# KiCad board V1.1_XT30_version.kicad_pcb (continued)
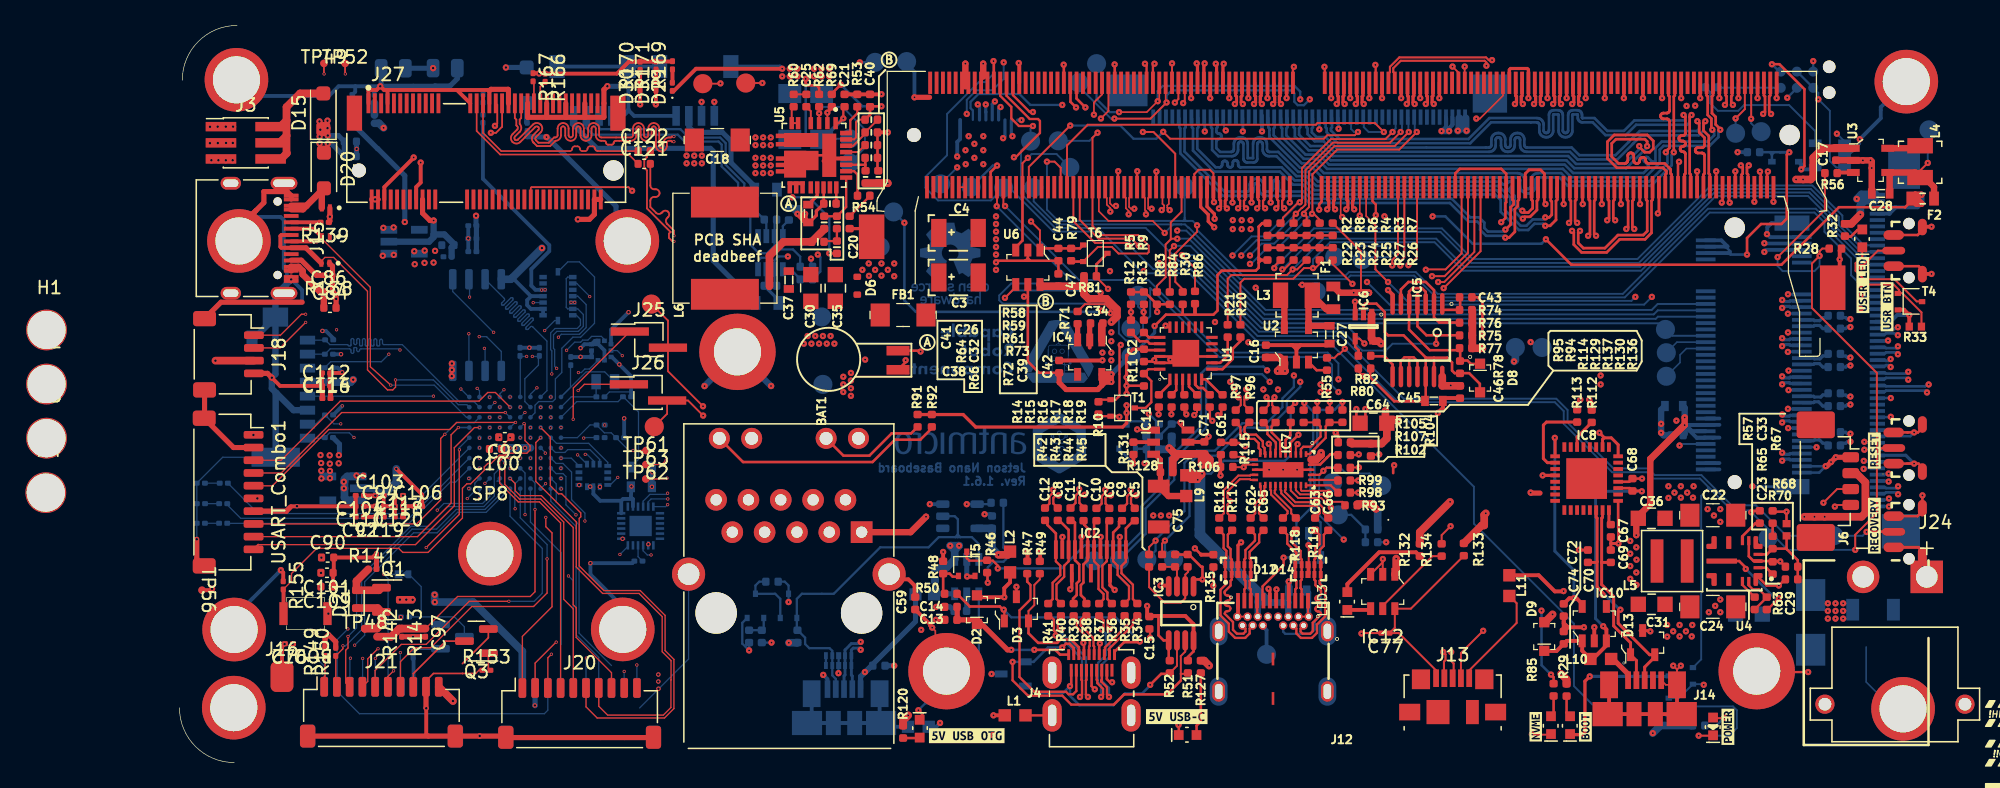
[diagram p0: board, top side]
## Routing (per net, layer and track width the routed paths; a pad name or vN(x,y) marks a point on that pad's centre or on a via; arc(x,y) is an arc through that point) (continued)
PCIE0_RX0_N: length 66
  Top w0.25: M1.131 92.98,52.39 92.91,52.33 92.91,51.87 v1(93.04,51.74)
  In5_3V3_SYS_SIGNAL.Cu w0.195: v1(125.91,32.72) 126.06,32.87 127.35,32.87 127.78,33.3 127.78,34.19 127.3,34.66 125.32,34.66 125.1,34.88 125.1,35.52 120.52,40.1 120.52,43.82 117.08,47.26 110.98,47.26 109.19,49.05 109.05,49.05 109.05,49.06 108.77,49.06 107.67,49.06 107.57,49.04 107.46,49.01 107.37,48.95 107.29,48.87 107.24,48.78 107.2,48.68 107.19,48.57 107.19,48.14 107.18,48.1 107.17,48.05 107.14,48.02 107.11,47.99 107.08,47.96 107.04,47.95 106.99,47.94 106.95,47.95 106.91,47.96 106.87,47.99 106.84,48.02 106.82,48.05 106.8,48.1 106.8,48.14 106.8,49.83 106.78,49.94 106.75,50.04 106.69,50.13 106.61,50.21 106.52,50.27 106.42,50.3 106.31,50.32 106.25,50.32 106.14,50.3 106.04,50.27 105.95,50.21 105.87,50.13 105.81,50.04 105.77,49.94 105.76,49.83 105.76,48.14 105.76,48.1 105.74,48.05 105.72,48.02 105.69,47.99 105.65,47.96 105.61,47.95 105.57,47.94 105.52,47.95 105.48,47.96 105.45,47.99 105.41,48.02 105.39,48.05 105.38,48.1 105.37,48.14 105.37,49.83 105.36,49.94 105.32,50.04 105.27,50.13 105.19,50.21 105.1,50.27 104.99,50.3 104.88,50.32 104.82,50.32 104.72,50.3 104.61,50.27 104.52,50.21 104.44,50.13 104.39,50.04 104.35,49.94 104.34,49.83 104.34,48.14 104.33,48.1 104.32,48.05 104.29,48.02 104.26,47.99 104.23,47.96 104.19,47.95 104.14,47.94 104.1,47.95 104.06,47.96 104.02,47.99 103.99,48.02 103.97,48.05 103.95,48.1 103.95,48.14 103.95,49.83 103.94,49.94 103.9,50.04 103.84,50.13 103.76,50.21 103.67,50.27 103.57,50.3 103.46,50.32 103.4,50.32 103.29,50.3 103.19,50.27 103.1,50.21 103.02,50.13 102.96,50.04 102.92,49.94 102.91,49.83 102.91,48.14 102.91,48.1 102.89,48.05 102.87,48.02 102.84,47.99 102.8,47.96 102.76,47.95 102.72,47.94 102.67,47.95 102.63,47.96 102.6,47.99 102.56,48.02 102.54,48.05 102.53,48.1 102.52,48.14 102.52,48.57 102.51,48.68 102.47,48.78 102.42,48.87 102.34,48.95 102.25,49.01 102.14,49.04 102.03,49.06 94.27,49.06 92.89,50.44 92.89,51.59 v1(93.04,51.74)
  Bottom w0.25: v1(125.91,32.72) 126.03,32.84 126.48,32.84 126.54,32.78 J7.41
PCIE0_RX0_P: length 66
  Top w0.25: v1(92.41,51.74) 92.54,51.87 92.54,52.33 92.48,52.39 M1.133
  In5_3V3_SYS_SIGNAL.Cu w0.195: v1(125.91,33.34) 126.06,33.19 127.21,33.19 127.46,33.43 127.46,34.06 127.17,34.34 125.18,34.34 124.78,34.75 124.78,35.39 123.8,36.37 123.77,36.4 123.73,36.42 123.68,36.43 123.64,36.43 123.6,36.42 123.56,36.4 123.52,36.37 123.49,36.34 123.46,36.31 123.42,36.29 123.38,36.28 123.33,36.28 123.29,36.29 123.25,36.31 123.22,36.34 123.19,36.37 123.17,36.41 123.16,36.46 123.16,36.5 123.17,36.54 123.19,36.58 123.22,36.62 123.25,36.65 123.28,36.68 123.3,36.72 123.31,36.76 123.31,36.81 123.3,36.85 123.28,36.89 123.25,36.92 120.2,39.97 120.2,43.69 116.95,46.94 110.84,46.94 109.05,48.73 107.7,48.73 107.66,48.73 107.62,48.71 107.58,48.69 107.55,48.66 107.53,48.62 107.51,48.58 107.51,48.54 107.51,48.11 107.5,48 107.46,47.9 107.4,47.81 107.33,47.73 107.23,47.67 107.13,47.63 107.02,47.62 106.96,47.62 106.85,47.63 106.75,47.67 106.66,47.73 106.58,47.81 106.52,47.9 106.49,48 106.47,48.11 106.47,49.8 106.47,49.84 106.46,49.88 106.43,49.92 106.4,49.95 106.36,49.97 106.32,49.99 106.28,49.99 106.24,49.99 106.19,49.97 106.16,49.95 106.13,49.92 106.1,49.88 106.09,49.84 106.08,49.8 106.08,48.11 106.07,48 106.04,47.9 105.98,47.81 105.9,47.73 105.81,47.67 105.71,47.63 105.6,47.62 105.54,47.62 105.43,47.63 105.33,47.67 105.23,47.73 105.16,47.81 105.1,47.9 105.06,48 105.05,48.11 105.05,49.8 105.04,49.84 105.03,49.88 105.01,49.92 104.98,49.95 104.94,49.97 104.9,49.99 104.85,49.99 104.81,49.99 104.77,49.97 104.73,49.95 104.7,49.92 104.68,49.88 104.66,49.84 104.66,49.8 104.66,48.11 104.65,48 104.61,47.9 104.55,47.81 104.48,47.73 104.38,47.67 104.28,47.63 104.17,47.62 104.11,47.62 104,47.63 103.9,47.67 103.81,47.73 103.73,47.81 103.67,47.9 103.64,48 103.62,48.11 103.62,49.8 103.62,49.84 103.61,49.88 103.58,49.92 103.55,49.95 103.51,49.97 103.47,49.99 103.43,49.99 103.39,49.99 103.35,49.97 103.31,49.95 103.28,49.92 103.25,49.88 103.24,49.84 103.23,49.8 103.23,48.11 103.22,48 103.19,47.9 103.13,47.81 103.05,47.73 102.96,47.67 102.86,47.63 102.75,47.62 102.69,47.62 102.58,47.63 102.48,47.67 102.38,47.73 102.31,47.81 102.25,47.9 102.21,48 102.2,48.11 102.2,48.54 102.2,48.58 102.18,48.62 102.16,48.66 102.13,48.69 102.09,48.71 102.05,48.73 102.01,48.73 94.14,48.73 92.57,50.31 92.57,51.59 v1(92.41,51.74)
  Bottom w0.25: v1(125.91,33.34) 126.03,33.22 126.48,33.22 126.54,33.28 J7.43
PCIE0_RX1_N: length 66
  Top w0.25: M1.137 91.48,52.39 91.41,52.33 91.41,51.87 v1(91.54,51.74)
  In5_3V3_SYS_SIGNAL.Cu w0.195: v1(91.54,51.74) 91.39,51.59 91.39,50.92 92.04,50.26 92.04,48.89 93.64,47.29 94.36,47.29 94.47,47.28 94.57,47.24 94.66,47.18 94.74,47.11 94.8,47.02 94.83,46.91 94.85,46.8 94.85,46.61 94.85,46.57 94.87,46.53 94.89,46.49 94.92,46.46 94.96,46.44 95,46.42 95.04,46.42 95.08,46.42 95.13,46.44 95.16,46.46 95.19,46.49 95.22,46.53 95.23,46.57 95.24,46.61 95.24,47.13 95.24,47.83 95.25,47.94 95.28,48.04 95.34,48.13 95.42,48.21 95.51,48.27 95.62,48.3 95.72,48.31 95.78,48.31 95.89,48.3 96,48.27 96.09,48.21 96.16,48.13 96.22,48.04 96.26,47.94 96.27,47.83 96.27,46.61 96.28,46.57 96.29,46.53 96.31,46.49 96.34,46.46 96.38,46.44 96.42,46.42 96.47,46.42 96.51,46.42 96.55,46.44 96.59,46.46 96.62,46.49 96.64,46.53 96.66,46.57 96.66,46.61 96.66,47.83 96.67,47.94 96.71,48.04 96.77,48.13 96.84,48.21 96.94,48.27 97.04,48.3 97.15,48.31 97.21,48.31 97.32,48.3 97.42,48.27 97.51,48.21 97.59,48.13 97.65,48.04 97.68,47.94 97.7,47.83 97.7,46.61 97.7,46.57 97.72,46.53 97.74,46.49 97.77,46.46 97.81,46.44 97.85,46.42 97.89,46.42 97.93,46.42 97.98,46.44 98.01,46.46 98.04,46.49 98.07,46.53 98.08,46.57 98.09,46.61 98.09,47.83 98.1,47.94 98.13,48.04 98.19,48.13 98.27,48.21 98.36,48.27 98.46,48.3 98.57,48.31 98.63,48.31 98.74,48.3 98.84,48.27 98.94,48.21 99.01,48.13 99.07,48.04 99.11,47.94 99.12,47.83 99.12,47.49 99.13,47.44 99.14,47.4 99.16,47.36 99.19,47.33 99.23,47.31 99.27,47.3 99.32,47.29 108.77,47.29 109.54,46.52 116.58,46.52 119.45,43.64 119.45,39.54 123.67,35.32 123.67,32.2 124.25,31.62 127.21,31.62 127.72,31.11 127.72,30.3 127.28,29.87 126.06,29.87 v1(125.91,29.72)
  Bottom w0.25: v1(125.91,29.72) 126.03,29.84 126.48,29.84 126.54,29.78 J7.29
PCIE0_RX1_P: length 66
  Top w0.25: v1(90.91,51.74) 91.04,51.87 91.04,52.33 90.98,52.39 90.98,53.4
  In5_3V3_SYS_SIGNAL.Cu w0.195: v1(90.91,51.74) 91.07,51.59 91.07,50.78 91.72,50.12 91.72,48.76 93.51,46.97 94.33,46.97 94.37,46.96 94.41,46.95 94.45,46.93 94.48,46.9 94.5,46.86 94.52,46.82 94.52,46.77 94.52,46.58 94.54,46.47 94.57,46.37 94.63,46.28 94.71,46.2 94.8,46.14 94.9,46.11 95.01,46.1 95.07,46.1 95.18,46.11 95.28,46.14 95.37,46.2 95.45,46.28 95.51,46.37 95.55,46.47 95.56,46.58 95.56,47.13 95.56,47.8 95.56,47.84 95.58,47.88 95.6,47.92 95.63,47.95 95.67,47.97 95.71,47.99 95.75,47.99 95.8,47.99 95.84,47.97 95.88,47.95 95.91,47.92 95.93,47.88 95.94,47.84 95.95,47.8 95.95,46.58 95.96,46.47 96,46.37 96.05,46.28 96.13,46.2 96.22,46.14 96.33,46.11 96.44,46.1 96.5,46.1 96.6,46.11 96.71,46.14 96.8,46.2 96.88,46.28 96.94,46.37 96.97,46.47 96.98,46.58 96.98,47.8 96.99,47.84 97,47.88 97.03,47.92 97.06,47.95 97.09,47.97 97.14,47.99 97.18,47.99 97.22,47.99 97.26,47.97 97.3,47.95 97.33,47.92 97.35,47.88 97.37,47.84 97.37,47.8 97.37,46.58 97.39,46.47 97.42,46.37 97.48,46.28 97.56,46.2 97.65,46.14 97.75,46.11 97.86,46.1 97.92,46.1 98.03,46.11 98.13,46.14 98.22,46.2 98.3,46.28 98.36,46.37 98.4,46.47 98.41,46.58 98.41,47.8 98.41,47.84 98.43,47.88 98.45,47.92 98.48,47.95 98.52,47.97 98.56,47.99 98.6,47.99 98.65,47.99 98.69,47.97 98.72,47.95 98.76,47.92 98.78,47.88 98.79,47.84 98.8,47.8 98.8,47.46 98.81,47.35 98.85,47.24 98.9,47.15 98.98,47.08 99.07,47.02 99.18,46.98 99.29,46.97 108.64,46.97 109.41,46.2 116.45,46.2 119.13,43.51 119.13,39.41 123.35,35.19 123.35,32.06 124.11,31.3 124.7,31.3 124.75,31.3 124.8,31.28 124.84,31.25 124.88,31.22 124.9,31.17 124.92,31.13 124.93,31.08 124.93,31.06 124.93,31.01 124.95,30.96 124.98,30.92 125.01,30.88 125.05,30.85 125.1,30.84 125.15,30.83 125.2,30.84 125.25,30.85 125.29,30.88 125.33,30.92 125.35,30.96 125.37,31.01 125.38,31.06 125.38,31.08 125.38,31.13 125.4,31.17 125.43,31.22 125.46,31.25 125.5,31.28 125.55,31.3 125.6,31.3 127.08,31.3 127.4,30.98 127.4,30.47 127.11,30.19 126.06,30.19 v1(125.91,30.34)
  Bottom w0.25: v1(125.91,30.34) 126.03,30.22 126.48,30.22 126.54,30.28 J7.31
PCIE0_RX2_N: length 66
  Top w0.25: M1.149 86.48,52.39 86.41,52.33 86.41,51.87 v1(86.54,51.74)
  In5_3V3_SYS_SIGNAL.Cu w0.185: 122.25,31.31 124.88,28.68 ; 92.08,45.67 99.61,45.67 99.65,45.68 99.69,45.69 99.73,45.71 99.76,45.74 99.78,45.78 99.79,45.82 99.8,45.86 99.8,46.07 99.81,46.18 99.85,46.28 99.9,46.37 99.98,46.45 100.07,46.51 100.17,46.54 100.28,46.55 100.34,46.55 100.45,46.54 100.55,46.51 100.64,46.45 100.71,46.37 100.77,46.28 100.81,46.18 100.82,46.07 100.82,45.86 100.82,45.82 100.84,45.78 100.86,45.74 100.89,45.71 100.93,45.69 100.97,45.68 101.01,45.67 101.05,45.68 101.09,45.69 101.13,45.71 101.16,45.74 101.18,45.78 101.19,45.82 101.2,45.86 101.2,46.07 101.21,46.18 101.25,46.28 101.3,46.37 101.38,46.45 101.47,46.51 101.57,46.54 101.68,46.55 101.74,46.55 101.85,46.54 101.95,46.51 102.04,46.45 102.11,46.37 102.17,46.28 102.21,46.18 102.22,46.07 102.22,45.86 102.22,45.82 102.24,45.78 102.26,45.74 102.29,45.71 102.33,45.69 102.37,45.68 102.41,45.67 102.45,45.68 102.49,45.69 102.53,45.71 102.56,45.74 102.58,45.78 102.59,45.82 102.6,45.86 102.6,46.07 102.61,46.18 102.65,46.28 102.7,46.37 102.78,46.45 102.87,46.51 102.97,46.54 103.08,46.55 103.14,46.55 103.25,46.54 103.35,46.51 103.44,46.45 103.51,46.37 103.57,46.28 103.61,46.18 103.62,46.07 103.62,45.86 103.62,45.82 103.64,45.78 103.66,45.74 103.69,45.71 103.73,45.69 103.77,45.68 103.81,45.67 116.21,45.67
  In5_3V3_SYS_SIGNAL.Cu w0.195: v1(125.91,26.72) 126.06,26.87 127.24,26.87 127.6,27.23 127.6,28.35 127.27,28.68 124.88,28.68 ; 92.08,45.67 86.39,51.36 86.39,51.59 v1(86.54,51.74) ; 116.21,45.67 118.35,43.52 118.35,39.16 122.25,35.27 122.25,31.31
  Bottom w0.25: v1(125.91,26.72) 126.03,26.84 126.48,26.84 126.54,26.78 J7.17
PCIE0_RX2_P: length 66
  Top w0.25: v1(85.91,51.74) 86.04,51.87 86.04,52.33 85.98,52.39 M1.151
  In5_3V3_SYS_SIGNAL.Cu w0.185: 121.93,31.18 122.86,30.25 122.88,30.22 122.9,30.18 122.91,30.14 122.91,30.1 122.9,30.06 122.88,30.02 122.86,29.99 122.82,29.94 122.79,29.91 122.77,29.87 122.76,29.83 122.76,29.79 122.77,29.75 122.79,29.71 122.82,29.68 122.85,29.66 122.88,29.64 122.93,29.63 122.97,29.63 123.01,29.64 123.04,29.66 123.08,29.68 123.12,29.73 123.15,29.75 123.19,29.77 123.23,29.78 123.27,29.78 123.31,29.77 123.35,29.75 123.38,29.73 124.75,28.36 ; 116.07,45.35 103.78,45.35 103.67,45.36 103.57,45.4 103.48,45.46 103.4,45.53 103.35,45.62 103.31,45.72 103.3,45.83 103.3,46.04 103.29,46.09 103.28,46.13 103.26,46.16 103.23,46.19 103.19,46.21 103.15,46.23 103.11,46.23 103.07,46.23 103.03,46.21 102.99,46.19 102.96,46.16 102.94,46.13 102.92,46.09 102.92,46.04 102.92,45.83 102.91,45.72 102.87,45.62 102.81,45.53 102.74,45.46 102.65,45.4 102.55,45.36 102.44,45.35 102.38,45.35 102.27,45.36 102.17,45.4 102.08,45.46 102,45.53 101.95,45.62 101.91,45.72 101.9,45.83 101.9,46.04 101.89,46.09 101.88,46.13 101.86,46.16 101.83,46.19 101.79,46.21 101.75,46.23 101.71,46.23 101.67,46.23 101.63,46.21 101.59,46.19 101.56,46.16 101.54,46.13 101.52,46.09 101.52,46.04 101.52,45.83 101.51,45.72 101.47,45.62 101.41,45.53 101.34,45.46 101.25,45.4 101.15,45.36 101.04,45.35 100.98,45.35 100.87,45.36 100.77,45.4 100.68,45.46 100.6,45.53 100.55,45.62 100.51,45.72 100.5,45.83 100.5,46.04 100.49,46.09 100.48,46.13 100.46,46.16 100.43,46.19 100.39,46.21 100.35,46.23 100.31,46.23 100.27,46.23 100.23,46.21 100.19,46.19 100.16,46.16 100.14,46.13 100.12,46.09 100.12,46.04 100.12,45.83 100.11,45.72 100.07,45.62 100.01,45.53 99.94,45.46 99.85,45.4 99.75,45.36 99.64,45.35 91.95,45.35
  In5_3V3_SYS_SIGNAL.Cu w0.195: 116.07,45.35 118.03,43.39 118.03,39.03 121.93,35.13 121.93,31.18 ; 124.75,28.36 127.12,28.36 127.28,28.2 127.28,27.36 127.11,27.19 126.06,27.19 v1(125.91,27.34) ; 91.95,45.35 86.07,51.23 86.07,51.59 v1(85.91,51.74)
  Bottom w0.25: v1(125.91,27.34) 126.03,27.22 126.48,27.22 126.54,27.28 J7.19
PCIE0_RX3_N: length 66.1
  Top w0.25: M1.155 84.98,52.39 84.91,52.33 84.91,51.87 v1(85.04,51.74)
  In5_3V3_SYS_SIGNAL.Cu w0.195: v1(125.91,23.72) 126.06,23.87 126.61,23.87 127.07,24.33 127.07,25.09 126.69,25.47 125.27,25.47 120.76,29.98 120.76,35.09 117,38.85 117,43.73 116.04,44.69 115.04,44.69 95.78,44.69 95.68,44.68 95.59,44.65 95.5,44.59 95.43,44.52 95.37,44.44 95.34,44.34 95.33,44.24 95.33,44.05 95.33,44.01 95.31,43.98 95.29,43.95 95.27,43.92 95.24,43.9 95.2,43.89 95.17,43.89 95.1,43.89 95.07,43.89 95.03,43.9 95,43.92 94.97,43.95 94.96,43.98 94.94,44.01 94.94,44.05 94.94,44.24 94.93,44.34 94.89,44.44 94.84,44.52 94.77,44.59 94.68,44.65 94.59,44.68 94.48,44.69 91.44,44.69 84.89,51.25 84.89,51.59 v1(85.04,51.74)
  Bottom w0.25: v1(125.91,23.72) 126.03,23.84 126.48,23.84 126.54,23.78 J7.5
PCIE0_RX3_P: length 66.1
  Top w0.25: v1(84.41,51.74) 84.54,51.87 84.54,52.33 84.48,52.39 M1.157
  In5_3V3_SYS_SIGNAL.Cu w0.195: v1(84.41,51.74) 84.57,51.59 84.57,51.12 91.31,44.37 94.46,44.37 94.49,44.37 94.53,44.36 94.56,44.34 94.58,44.31 94.6,44.28 94.62,44.25 94.62,44.21 94.62,44.02 94.63,43.92 94.66,43.83 94.72,43.74 94.79,43.67 94.88,43.61 94.97,43.58 95.07,43.57 95.19,43.57 95.3,43.58 95.39,43.61 95.48,43.67 95.55,43.74 95.6,43.83 95.64,43.92 95.65,44.02 95.65,44.21 95.65,44.25 95.67,44.28 95.68,44.31 95.71,44.34 95.74,44.36 95.78,44.37 95.81,44.37 115.91,44.37 116.68,43.6 116.68,38.71 120.44,34.95 120.44,29.85 122.65,27.64 122.68,27.61 122.7,27.57 122.71,27.53 122.71,27.48 122.7,27.44 122.68,27.4 122.65,27.37 122.62,27.34 122.59,27.3 122.57,27.26 122.57,27.22 122.57,27.18 122.57,27.13 122.59,27.09 122.62,27.06 122.66,27.03 122.69,27.01 122.74,27 122.78,27 122.82,27.01 122.86,27.03 122.9,27.06 122.93,27.09 122.96,27.12 123,27.14 123.04,27.15 123.09,27.15 123.13,27.14 123.17,27.12 123.2,27.09 125.14,25.15 126.56,25.15 126.75,24.96 126.75,24.46 126.48,24.19 126.06,24.19 v1(125.91,24.34)
  Bottom w0.25: v1(125.91,24.34) 126.03,24.22 126.48,24.22 126.54,24.28 J7.7
PCIE0_TX0_N: length 65.6
  Top w0.25: M1.134 92.23,44.19 92.16,44.12 92.16,43.59 v1(92.29,43.46)
  In3_SIGNAL.Cu w0.185: v1(131.27,34.21) 131.31,34.21 131.74,34.65 131.74,35.05 130.96,35.83 127.98,35.83 126.92,34.77 123.06,34.77 119.72,38.1 118.36,38.1 118.33,38.11 118.31,38.11 118.28,38.13 118.27,38.15 118.25,38.17 118.24,38.2 118.24,38.22 118.24,38.4 118.23,38.49 118.2,38.58 118.15,38.66 118.09,38.72 118.01,38.77 117.92,38.8 117.83,38.81 117.65,38.81 117.56,38.8 117.48,38.77 117.4,38.72 117.34,38.66 117.29,38.58 117.26,38.49 117.25,38.4 117.25,37.52 117.25,37.49 117.24,37.47 117.22,37.44 117.2,37.42 117.18,37.41 117.16,37.4 117.13,37.4 117,37.4 116.97,37.4 116.95,37.41 116.92,37.42 116.91,37.44 116.89,37.47 116.88,37.49 116.88,37.52 116.88,38.4 116.87,38.49 116.84,38.58 116.79,38.66 116.73,38.72 116.65,38.77 116.56,38.8 116.47,38.81 116.29,38.81 116.2,38.8 116.12,38.77 116.04,38.72 115.98,38.66 115.93,38.58 115.9,38.49 115.89,38.4 115.89,37.52 115.89,37.49 115.88,37.47 115.86,37.44 115.84,37.42 115.82,37.41 115.8,37.4 115.77,37.4 115.64,37.4 115.61,37.4 115.59,37.41 115.56,37.42 115.55,37.44 115.53,37.47 115.52,37.49 115.52,37.52 115.52,38.4 115.51,38.49 115.48,38.58 115.43,38.66 115.37,38.72 115.29,38.77 115.2,38.8 115.11,38.81 114.93,38.81 114.84,38.8 114.76,38.77 114.68,38.72 114.62,38.66 114.57,38.58 114.54,38.49 114.53,38.4 114.53,37.52 114.53,37.49 114.52,37.47 114.5,37.44 114.48,37.42 114.46,37.41 114.44,37.4 114.41,37.4 114.28,37.4 114.25,37.4 114.23,37.41 114.2,37.42 114.19,37.44 114.17,37.47 114.16,37.49 114.16,37.52 114.16,38.4 114.15,38.49 114.12,38.58 114.07,38.66 114.01,38.72 113.93,38.77 113.84,38.8 113.75,38.81 113.57,38.81 113.48,38.8 113.4,38.77 113.32,38.72 113.26,38.66 113.21,38.58 113.18,38.49 113.17,38.4 113.17,37.52 113.17,37.49 113.16,37.47 113.14,37.44 113.12,37.42 113.1,37.41 113.08,37.4 113.05,37.4 112.92,37.4 112.89,37.4 112.87,37.41 112.84,37.42 112.83,37.44 112.81,37.47 112.8,37.49 112.8,37.52 112.8,38.4 112.79,38.49 112.76,38.58 112.71,38.66 112.65,38.72 112.57,38.77 112.48,38.8 112.39,38.81 112.21,38.81 112.12,38.8 112.04,38.77 111.96,38.72 111.9,38.66 111.85,38.58 111.82,38.49 111.81,38.4 111.81,37.52 111.81,37.49 111.8,37.47 111.78,37.44 111.76,37.42 111.74,37.41 111.72,37.4 111.69,37.4 111.56,37.4 111.53,37.4 111.51,37.41 111.48,37.42 111.47,37.44 111.45,37.47 111.44,37.49 111.44,37.52 111.44,38.4 111.43,38.49 111.4,38.58 111.35,38.66 111.29,38.72 111.21,38.77 111.12,38.8 111.03,38.81 110.85,38.81 110.76,38.8 110.68,38.77 110.6,38.72 110.54,38.66 110.49,38.58 110.46,38.49 110.45,38.4 110.45,37.52 110.45,37.49 110.44,37.47 110.42,37.44 110.4,37.42 110.38,37.41 110.36,37.4 110.33,37.4 110.2,37.4 110.17,37.4 110.15,37.41 110.12,37.42 110.11,37.44 110.09,37.47 110.08,37.49 110.08,37.52 110.08,38.4 110.07,38.49 110.04,38.58 109.99,38.66 109.93,38.72 109.85,38.77 109.76,38.8 109.67,38.81 109.49,38.81 109.4,38.8 109.32,38.77 109.24,38.72 109.18,38.66 109.13,38.58 109.1,38.49 109.09,38.4 109.09,37.52 109.09,37.49 109.08,37.47 109.06,37.44 109.04,37.42 109.02,37.41 109,37.4 108.97,37.4 108.84,37.4 108.81,37.4 108.79,37.41 108.76,37.42 108.75,37.44 108.73,37.47 108.72,37.49 108.72,37.52 108.72,38.4 108.71,38.49 108.68,38.58 108.63,38.66 108.57,38.72 108.49,38.77 108.4,38.8 108.31,38.81 108.13,38.81 108.04,38.8 107.96,38.77 107.88,38.72 107.82,38.66 107.77,38.58 107.74,38.49 107.73,38.4 107.73,38.22 107.73,38.2 107.72,38.17 107.7,38.15 107.68,38.13 107.66,38.11 107.64,38.11 107.61,38.1 103.67,38.1 99.37,42.4 92.64,42.4 92.13,42.91 92.13,43.31 v1(92.29,43.46)
  Bottom w0.25: 130.49,34.09 130.91,34.09 131.03,34.21 v1(131.27,34.21)
PCIE0_TX0_P: length 65.6
  Top w0.25: v1(91.66,43.46) 91.79,43.59 91.79,44.12 91.73,44.19 M1.136
  In3_SIGNAL.Cu w0.185: v1(131.27,34.84) 131.27,35.08 130.83,35.52 130.36,35.52 130.32,35.52 130.28,35.5 130.25,35.48 130.22,35.45 130.2,35.42 130.18,35.38 130.18,35.34 130.18,35.09 130.17,35.05 130.16,35.01 130.14,34.98 130.11,34.95 130.07,34.92 130.03,34.91 129.99,34.91 129.95,34.91 129.91,34.92 129.88,34.95 129.85,34.98 129.83,35.01 129.81,35.05 129.81,35.09 129.81,35.34 129.8,35.38 129.79,35.42 129.77,35.45 129.74,35.48 129.7,35.5 129.66,35.52 129.62,35.52 128.12,35.52 127.05,34.46 122.87,34.46 119.54,37.79 118.33,37.79 118.24,37.8 118.16,37.83 118.08,37.88 118.02,37.95 117.97,38.02 117.94,38.11 117.93,38.2 117.93,38.38 117.93,38.4 117.92,38.43 117.9,38.45 117.88,38.47 117.86,38.49 117.84,38.5 117.81,38.5 117.68,38.5 117.65,38.5 117.63,38.49 117.6,38.47 117.59,38.45 117.57,38.43 117.56,38.4 117.56,38.38 117.56,37.49 117.55,37.4 117.52,37.32 117.47,37.24 117.41,37.18 117.33,37.13 117.24,37.1 117.15,37.09 116.97,37.09 116.88,37.1 116.8,37.13 116.72,37.18 116.66,37.24 116.61,37.32 116.58,37.4 116.57,37.49 116.57,38.38 116.57,38.4 116.56,38.43 116.54,38.45 116.52,38.47 116.5,38.49 116.48,38.5 116.45,38.5 116.32,38.5 116.29,38.5 116.27,38.49 116.24,38.47 116.23,38.45 116.21,38.43 116.2,38.4 116.2,38.38 116.2,37.49 116.19,37.4 116.16,37.32 116.11,37.24 116.05,37.18 115.97,37.13 115.88,37.1 115.79,37.09 115.61,37.09 115.52,37.1 115.44,37.13 115.36,37.18 115.3,37.24 115.25,37.32 115.22,37.4 115.21,37.49 115.21,38.38 115.21,38.4 115.2,38.43 115.18,38.45 115.16,38.47 115.14,38.49 115.12,38.5 115.09,38.5 114.96,38.5 114.93,38.5 114.91,38.49 114.88,38.47 114.87,38.45 114.85,38.43 114.84,38.4 114.84,38.38 114.84,37.49 114.83,37.4 114.8,37.32 114.75,37.24 114.69,37.18 114.61,37.13 114.52,37.1 114.43,37.09 114.25,37.09 114.16,37.1 114.08,37.13 114,37.18 113.94,37.24 113.89,37.32 113.86,37.4 113.85,37.49 113.85,38.38 113.85,38.4 113.84,38.43 113.82,38.45 113.8,38.47 113.78,38.49 113.76,38.5 113.73,38.5 113.6,38.5 113.57,38.5 113.55,38.49 113.52,38.47 113.51,38.45 113.49,38.43 113.48,38.4 113.48,38.38 113.48,37.49 113.47,37.4 113.44,37.32 113.39,37.24 113.33,37.18 113.25,37.13 113.16,37.1 113.07,37.09 112.89,37.09 112.8,37.1 112.72,37.13 112.64,37.18 112.58,37.24 112.53,37.32 112.5,37.4 112.49,37.49 112.49,38.38 112.49,38.4 112.48,38.43 112.46,38.45 112.44,38.47 112.42,38.49 112.4,38.5 112.37,38.5 112.24,38.5 112.21,38.5 112.19,38.49 112.16,38.47 112.15,38.45 112.13,38.43 112.12,38.4 112.12,38.38 112.12,37.49 112.11,37.4 112.08,37.32 112.03,37.24 111.97,37.18 111.89,37.13 111.8,37.1 111.71,37.09 111.53,37.09 111.44,37.1 111.36,37.13 111.28,37.18 111.22,37.24 111.17,37.32 111.14,37.4 111.13,37.49 111.13,38.38 111.13,38.4 111.12,38.43 111.1,38.45 111.08,38.47 111.06,38.49 111.04,38.5 111.01,38.5 110.88,38.5 110.85,38.5 110.83,38.49 110.8,38.47 110.79,38.45 110.77,38.43 110.76,38.4 110.76,38.38 110.76,37.49 110.75,37.4 110.72,37.32 110.67,37.24 110.61,37.18 110.53,37.13 110.44,37.1 110.35,37.09 110.17,37.09 110.08,37.1 110,37.13 109.92,37.18 109.86,37.24 109.81,37.32 109.78,37.4 109.77,37.49 109.77,38.38 109.77,38.4 109.76,38.43 109.74,38.45 109.72,38.47 109.7,38.49 109.68,38.5 109.65,38.5 109.52,38.5 109.49,38.5 109.47,38.49 109.44,38.47 109.43,38.45 109.41,38.43 109.4,38.4 109.4,38.38 109.4,37.49 109.39,37.4 109.36,37.32 109.31,37.24 109.25,37.18 109.17,37.13 109.08,37.1 108.99,37.09 108.81,37.09 108.72,37.1 108.64,37.13 108.56,37.18 108.5,37.24 108.45,37.32 108.42,37.4 108.41,37.49 108.41,38.38 108.41,38.4 108.4,38.43 108.38,38.45 108.36,38.47 108.34,38.49 108.32,38.5 108.29,38.5 108.16,38.5 108.13,38.5 108.11,38.49 108.08,38.47 108.07,38.45 108.05,38.43 108.04,38.4 108.04,38.38 108.04,38.2 108.03,38.11 108,38.02 107.95,37.95 107.89,37.88 107.81,37.83 107.72,37.8 107.63,37.79 103.54,37.79 99.24,42.09 92.51,42.09 91.82,42.78 91.82,43.31 v1(91.66,43.46)
  Bottom w0.25: v1(131.27,34.84) 131.03,34.84 130.91,34.96 130.49,34.96
PCIE0_TX1_N: length 66.2
  Top w0.25: M1.140 90.73,44.19 90.66,44.12 90.66,43.59 v1(90.79,43.46)
  In3_SIGNAL.Cu w0.185: v1(90.79,43.46) 90.63,43.31 90.63,42.89 91.95,41.56 98.92,41.56 105.07,35.42 109.55,35.42 109.64,35.4 109.73,35.37 109.8,35.32 109.87,35.26 109.92,35.18 109.95,35.09 109.96,35 109.96,34.82 109.96,34.79 109.97,34.76 109.99,34.74 110.01,34.72 110.03,34.7 110.06,34.69 110.09,34.69 110.2,34.69 110.23,34.69 110.26,34.7 110.28,34.72 110.3,34.74 110.32,34.76 110.33,34.79 110.33,34.82 110.33,35.73 110.34,35.82 110.37,35.9 110.42,35.98 110.49,36.05 110.56,36.1 110.65,36.13 110.74,36.14 110.91,36.14 111,36.13 111.09,36.1 111.16,36.05 111.23,35.98 111.28,35.9 111.31,35.82 111.32,35.73 111.32,34.82 111.32,34.79 111.33,34.76 111.35,34.74 111.37,34.72 111.39,34.7 111.42,34.69 111.45,34.69 111.56,34.69 111.59,34.69 111.62,34.7 111.64,34.72 111.66,34.74 111.68,34.76 111.69,34.79 111.69,34.82 111.69,35.73 111.7,35.82 111.73,35.9 111.78,35.98 111.85,36.05 111.92,36.1 112.01,36.13 112.1,36.14 112.27,36.14 112.36,36.13 112.45,36.1 112.52,36.05 112.59,35.98 112.64,35.9 112.67,35.82 112.68,35.73 112.68,34.82 112.68,34.79 112.69,34.76 112.71,34.74 112.73,34.72 112.75,34.7 112.78,34.69 112.81,34.69 112.92,34.69 112.95,34.69 112.98,34.7 113,34.72 113.02,34.74 113.04,34.76 113.05,34.79 113.05,34.82 113.05,35.73 113.06,35.82 113.09,35.9 113.14,35.98 113.21,36.05 113.28,36.1 113.37,36.13 113.46,36.14 113.63,36.14 113.72,36.13 113.81,36.1 113.88,36.05 113.95,35.98 114,35.9 114.03,35.82 114.04,35.73 114.04,34.82 114.04,34.79 114.05,34.76 114.07,34.74 114.09,34.72 114.11,34.7 114.14,34.69 114.17,34.69 114.28,34.69 114.31,34.69 114.34,34.7 114.36,34.72 114.38,34.74 114.4,34.76 114.41,34.79 114.41,34.82 114.41,35.73 114.42,35.82 114.45,35.9 114.5,35.98 114.57,36.05 114.64,36.1 114.73,36.13 114.82,36.14 114.99,36.14 115.08,36.13 115.17,36.1 115.24,36.05 115.31,35.98 115.36,35.9 115.39,35.82 115.4,35.73 115.4,34.82 115.4,34.79 115.41,34.76 115.43,34.74 115.45,34.72 115.47,34.7 115.5,34.69 115.53,34.69 115.64,34.69 115.67,34.69 115.7,34.7 115.72,34.72 115.74,34.74 115.76,34.76 115.77,34.79 115.77,34.82 115.77,35.73 115.78,35.82 115.81,35.9 115.86,35.98 115.93,36.05 116,36.1 116.09,36.13 116.18,36.14 116.35,36.14 116.44,36.13 116.53,36.1 116.6,36.05 116.67,35.98 116.72,35.9 116.75,35.82 116.76,35.73 116.76,34.82 116.76,34.79 116.77,34.76 116.79,34.74 116.81,34.72 116.83,34.7 116.86,34.69 116.89,34.69 117,34.69 117.03,34.69 117.06,34.7 117.08,34.72 117.1,34.74 117.12,34.76 117.13,34.79 117.13,34.82 117.15,35.73 117.16,35.82 117.19,35.9 117.24,35.98 117.3,36.05 117.38,36.1 117.47,36.13 117.56,36.14 117.72,36.14 117.81,36.13 117.9,36.1 117.98,36.05 118.05,35.98 118.09,35.9 118.13,35.82 118.14,35.73 118.14,35.54 118.14,35.52 118.15,35.49 118.16,35.46 118.18,35.44 118.21,35.43 118.24,35.42 118.27,35.42 120.11,35.42 123.86,31.67 126.97,31.67 128.12,32.83 131.62,32.83 132.15,32.3 132.15,31.7 131.81,31.35 131.43,31.35 v1(131.27,31.19)
  Bottom w0.25: 130.49,31.07 130.91,31.07 131.03,31.19 v1(131.27,31.19)